# Altium PCB USB-SMB-ISO-CP2112-V-1.PcbDoc (continued)
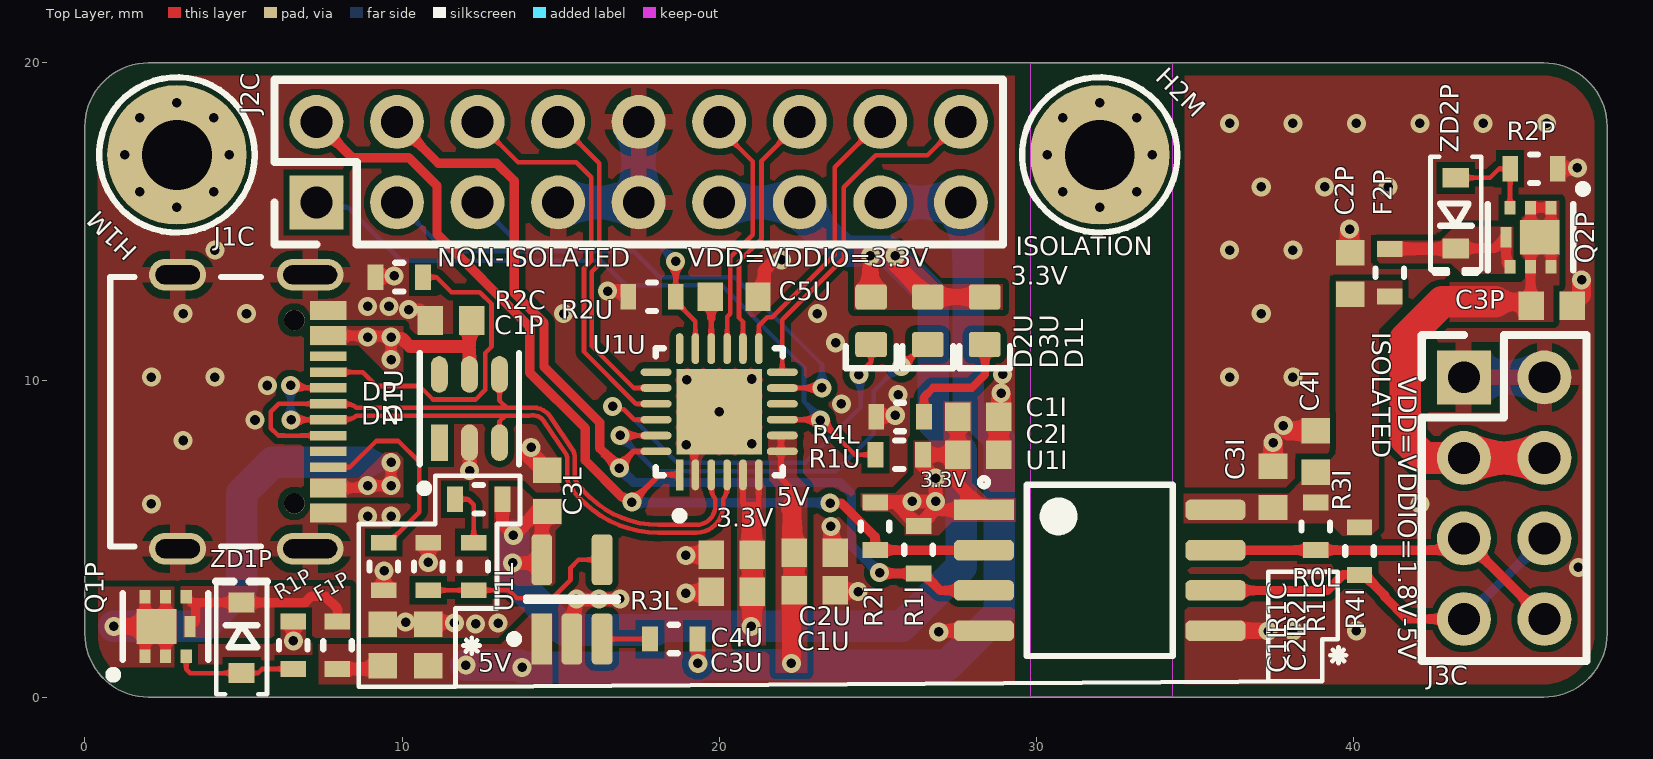
[diagram p0: Top Layer view]
## Part data (continued)
R4L: library part 2.49K, "Res Thick Film 0603 2.49K Ohm 1% 1/10W ±100ppm/°C Molded SMD SMD Paper T/R", Case Code (Imperial)=0603, Case Code (Metric)=1608, MANUFACTURER=Rohm, Max Operating Temperature=155°C, Max Power Dissipation=100mW, Min Operating Temperature=-55°C, Package Quantity=1, Supplier Part Number 1=53268691, Temperature Coefficient=100ppm/°C, Tolerance=1%, Voltage Rating (DC)=50V, Case/Package=0603, CATEGORY="Chip SMD Resistors", componentlink1description=https://datasheet.ciiva.com/2520/mcr-2520347.pdf?src-supplier=Digikey, componentlink1url=https://datasheet.ciiva.com/2520/mcr-2520347.pdf?src-supplier=Digikey, componentlink2description=https://datasheet.ciiva.com/2520/mcr-2520348.pdf?src-supplier=Digikey, componentlink2url=https://datasheet.ciiva.com/2520/mcr-2520348.pdf?src-supplier=Digikey, ComponentLink3Description=https://datasheet.ciiva.com/2520/mcr-2520349.pdf?src-supplier=Digikey, ComponentLink3URL=https://datasheet.ciiva.com/2520/mcr-2520349.pdf?src-supplier=Digikey, ComponentLink4Description=https://datasheet.ciiva.com/16203/mcr03ezpd-16203167.pdf?src-supplier=Future+Electronics, ComponentLink4URL=https://datasheet.ciiva.com/16203/mcr03ezpd-16203167.pdf?src-supplier=Future+Electronics, Contact Plating=Tin, Features="Automotive AEC-Q200", Height=0.022inch, Lead Free="Lead Free", Length=0.063inch, Manufacturer Part Number=MCR03EZPFX2491, Mounting Technology="Surface Mount", Number of Terminations=2, packaging="Cut Tape", Power Rating=100mW, Pricing 1="1=0.036, 10=0.031, 100=0.031, 1000=0.028 (USD)", RoHS=Yes, RoHS Compliant=Yes, SERIES=MCR03, Stock 1=683, Supplier 1="One Stop Electro", Width=0.031inch
U1I: "Ultra-Low Power, Bidirectional I2C Isolator with Extended VDD, Idle-Bus Hot-Swap and Low VOL", MANUFACTURER="Analog Devices", Supplier Part Number 1=584-ADUM1252AWA+, Manufacturer Part Number=ADUM1252AWA+, Pricing 1="1=4.29, 10=3.85, 50=3.85, 100=3.15, 1000=2.68, 10000=2.14 (USD)", RoHS=No, Stock 1=216, Supplier 1=Mouser
U1L: "LDO U-Reg Adj 0, 3A SOT23-5", MANUFACTURER="SG Micro", Supplier Part Number 1=SGM2019-ADJYN5GTR-112944978, CATEGORY=LDO, Manufacturer Part Number=SGM2019-ADJYN5G/TR, RoHS=No, Stock 1=6915, Supplier 1=Sourcengine
U1U: "IC HID USB-TO-SMBUS BRIDGE 24QFN", Ambient Temperature Range High=+85°C, Ambient Temperature Range Low=-40°C, MANUFACTURER="Silicon Labs", Max Junction Temp=+105°C, Max Supply Voltage=3.6V, Min Supply Voltage=1.8V, Nominal Supply Current=130-1500uA, Temperature="-40°C to +85°C", Automotive=No, CATEGORY=IC, componentlink2description=Datasheet, componentlink2url=https://www.silabs.com/documents/public/data-sheets/cp2112-datasheet.pdf, Device Class L1="Integrated Circuits (ICs)", Device Class L2="Interface ICs", Device Class L3=Controllers, Digikey Description="IC HID USB-TO-SMBUS BRIDGE 24QFN", Height=0.8mm, Interface=USB,SMBus, Ipc Land Pattern Name=QFN50P400X400X75-24, Lead Free=Yes, Manufacturer Part Number=CP2112-F03-GM, Mouser Description="Single-Chip HID USB to SMBus Master Bridge 24-Pin QFN", Octopart=https://octopart.com/cp2112-f03-gm-silicon+labs-81780828, Package=CP2112-F03-GM, RoHS=TRUE, Standoff Height=0mm, Temperature Range High=+85°C, Temperature Range Low=-40°C
ZD1P ZD2P: "MM3Z12VST1G Zener Diode, 12V 2% 200 mW SMT 2-Pin SOD-323", Case/Package=SOD-323-2, Forward Voltage=900mV, MANUFACTURER="ON Semiconductor", Max Operating Temperature=150°C, Max Power Dissipation=300mW, Max Reverse Current=100nA, Min Operating Temperature=-65°C, Package Quantity=3000, Power Dissipation=200mW, Test Current=5mA, Tolerance=2%, Voltage Rating (DC)=12V, Zener Current=10mA, CATEGORY="Zener Diodes", componentlink1description=https://datasheet.ciiva.com/30478/0900766b8127c8bd-30478408.pdf?src-supplier=Rs, componentlink1url=https://datasheet.ciiva.com/30478/0900766b8127c8bd-30478408.pdf?src-supplier=Rs, componentlink2description=https://datasheet.ciiva.com/16292/mm3z12vst1g-16292931.pdf?src-supplier=Future+Electronics, componentlink2url=https://datasheet.ciiva.com/16292/mm3z12vst1g-16292931.pdf?src-supplier=Future+Electronics, ComponentLink3Description=https://datasheet.ciiva.com/22626/1878251-22626885.pdf?src-supplier=Element14, ComponentLink3URL=https://datasheet.ciiva.com/22626/1878251-22626885.pdf?src-supplier=Element14, ComponentLink4Description=https://datasheet.ciiva.com/894/mm3z2v4st1-d-894650.pdf?src-supplier=Digikey, ComponentLink4URL=https://datasheet.ciiva.com/894/mm3z2v4st1-d-894650.pdf?src-supplier=Digikey, ComponentLink5Description=https://datasheet.ciiva.com/894/mm3z2v4st1-d-894651.pdf?src-supplier=Digikey, ComponentLink5URL=https://datasheet.ciiva.com/894/mm3z2v4st1-d-894651.pdf?src-supplier=Digikey, ComponentLink6Description=https://datasheet.ciiva.com/894/mm3z2v4st1-d-894649.pdf?src-supplier=Digikey, ComponentLink6URL=https://datasheet.ciiva.com/894/mm3z2v4st1-d-894649.pdf?src-supplier=Digikey, Height=1mm, Impedance=25R, Lead Free="Lead Free", Length=1.8mm, Manufacturer Part Number=MM3Z12VST1G, Material=Plastic, Max Reverse Leakage Current=100nA, packaging="Tape and Reel", Pins=2, Power Rating=200mW, Pricing 1="3000=0.0152, 6000=0.0145, 9000=0.0143, 27000=0.0137, 51000=0.0133, 102000=0.0128, 252000=0.0125, 501000=0.0123 (USD)", Radiation Hardening=No, Reach SVHC Compliant=No, RoHS=Yes, RoHS Compliant=Yes, SERIES=-, Stock 1=60000, Supplier 1=Onlinecomponents.com, Supplier Part Number 1=MM3Z12VST1G, Voltage Tolerance=2%, Width=1.35mm, Working Voltage=12V, Zener Voltage=12V

## Via types
v1: diameter 0.6, hole 0.3, Top Layer to Bottom Layer, tented both sides, 98 vias
v2: diameter 0.6, hole 0.3, Top Layer to Bottom Layer, tented bottom, 5 vias

## Nets (pads, with @x,y where several pads share a name; then routed paths per layer and width w, separated by ;. In a path a pad name is that pad's centre, name@x,y a point inside that pad or via, vN(x,y) a via of type N, cw(c..) or ccw(c..) an arc to the next point about the centre after c; other vN are vias at no path point)
+3VALW: C1I.1 C2I.1 C3L.1 C3U.1 C4U.1 D1L.2 D2U.2 D3U.2 J2C.11 J2C.13 R0L.1 R1I.1 R1U.1 R2I.1 U1I.1 U1L.5 U1U.5 U1U.6 | length 61.7
  Top Layer w0.18: U1U.5@20.75,7.049 20.75,6.123 21.021,5.852 21.25,6.082 U1U.6 U1U.6@21.25,7.049
  Top Layer w0.4: R0L.1 13.164,5.454 v1(13.513,5.105) 14.26,5.852 C3L.1 14.406,5.679 U1L.5 14.306,4.232 v1(13.486,4.232) ; R2I.1 25.552,6.135 R1I.1 26.796,5.905 U1I.1 27.519,6.736 C2I.1 ; R2I.1@24.955,6.172 v1(26.086,6.172) v1(26.822,6.172) v1(26.822,6.909) 26.429,7.302 R1U.1 C2I.1 ; C1I.1 C2I.1
  Top Layer w0.5: v1(24.765,13.919) 24.765,12.645 D2U.2 ; v1(25.552,13.919) 25.552,13.649 D3U.2 D1L.2
  Top Layer w0.6: v1(21.006,2.235) 21.037,2.267 21.037,3.17 21.046,3.179 C3U.1 C4U.1 21.021,4.521 21.021,5.852
  Bottom Layer w1: v1(13.486,4.232) 13.486,3.75 15.121,2.115 15.889,2.115 18.004,2.115 18.124,2.235 v1(21.006,2.235) 25.756,2.235 27.635,4.115 27.635,7.773 26.749,8.659 26.749,12.646 25.331,14.064 23.99,14.064 22.879,14.915 J2C.13@22.593,15.201 ; v1@13.513,4.259 v1(13.513,5.105) ; J2C.11 J2C.13
+5V_BUCK: C1L.1 C1U.1 C2L.1 C2U.1 F1P.2 J2C.15 J2C.17 R3L.1 U1L.1 U1U.7 U1U.8 | length 43.2
  Top Layer w0.18: U1U.8@21.951,8.25 21.951,6.903 22.25,6.604 22.25,5.944
  Top Layer w0.4: F1P.2 C1L.1@9.393,0.888 ; R3L.1@19.317,1.829 19.329,1.817 v1(19.329,1.067)
  Top Layer w0.6: 22.25,5.944 22.297,5.897 22.297,4.612 C2U.1 C1U.1 22.276,3.285 v1(22.276,1.067)
  Bottom Layer w1: v1(12.012,1.008) 13.721,1.008 v1(13.787,0.941) 19.284,0.941 19.365,1.022 22.231,1.022 v1(22.276,1.067) 22.345,0.998 27.175,0.998 28.829,2.651 28.829,8.138 27.851,9.116 27.851,15.265 27.62,15.496 J2C.17 J2C.15
+5V_VBUS: C1P.1 D1U.5 J1C.A4-B9 J1C.B4-A9 Q1P.1-2-5-6-7 | length 29
  Top Layer w0.3: Q1P.1-2-5-6-7@1.893,1.295 Q1P.1-2-5-6-7@1.893,2.23 ; Q1P.1-2-5-6-7@1.893,2.234 Q1P.1-2-5-6-7@1.893,3.165 ; Q1P.1-2-5-6-7@2.543,1.295 Q1P.1-2-5-6-7@2.543,3.165 ; J1C.B4-A9 8.846,6.6 v1(8.915,6.669) v1(9.652,6.669) v1(9.652,7.406) ; J1C.A4-B9 9.607,11.4 v1(9.652,11.355) v1(9.652,10.644) ; C1P.1@12.123,11.807 C1P.1
  Top Layer w0.4: v1(9.652,11.355) 9.69,11.317 9.988,11.317 10.25,11.055 12.123,11.055 ; D1U.5 12.123,11.005 12.123,11.055 ; C1P.1@12.123,11.807 12.123,11.055
  Top Layer w0.5: v1(0.913,2.234) 1.893,2.234 2.254,2.234 Q1P.1-2-5-6-7@2.258,2.23
  Bottom Layer w0.3: v1(8.915,6.669) v1(9.652,6.669) v1(9.652,7.406)
  Bottom Layer w0.5: 8.862,7.406 v1(9.652,7.406)
  Bottom Layer w1: v1(0.913,2.234) 3.742,2.234 4.944,3.435 4.944,6.427 5.923,7.406 8.862,7.406
  other v1: 8.915,11.355
+5V_VBUS#: F1P.1 Q1P.4-8 ZD1P.1 | length 6.4
  Top Layer w0.3: Q1P.4-8@3.193,3.165 3.373,2.984 ; Q1P.4-8@3.318,2.23 3.493,2.405 3.493,2.865 3.373,2.984 ; F1P.1 7.96,2.791 7.574,3.177 7.211,3.177 7.199,3.189 7.145,3.189 6.94,2.984 ZD1P.1 3.373,2.984
CC1: J1C.A5 R2C.1 | length 10.7
  Top Layer w0.146: J1C.A5 8.759,10.25 9.195,9.813 10.549,9.813 10.975,9.387 12.328,9.387 12.628,9.687 12.628,10.854 12.819,11.045 12.819,12.403 12.45,12.772 11.558,12.772 11.086,13.244 R2C.1
CC2: J1C.B5 R1C.1 | length 6.6
  Top Layer w0.146: J1C.B5 8.354,7.25 9.183,8.079 9.883,8.079 10.539,7.422 10.539,5.837 9.574,4.871 R1C.1
CP2102_USB_N: D1U.3 J1C.A7 J1C.B7 U1U.4 | length 20.5
  Top Layer w0.144: v1(6.483,9.83) 6.563,9.75 J1C.B7 ; v1(6.5,8.746) 6.502,8.748 7.676,8.748 J1C.A7 8.247,8.75 ccw(c8.247,9.183) 8.553,8.877 13.251,8.877 ; D1U.3 13.073,8.698 13.251,8.877 ; U1U.4@20.25,7.049 20.25,6.566 cw(c19.817,6.566) 20.123,6.26 20.123,6.025 cw(c19.288,6.025) 19.288,5.189 18.081,5.189 cw(c18.074,8.524) 15.776,6.107 ccw(c15.677,6.002) 15.773,6.11 15.739,6.14 cw(c17.379,7.999) 15.26,6.712 cw(c15.595,6.914) 15.204,6.912 15.204,7.565 ccw(c15.059,7.565) 15.18,7.645 14.48,8.695 ccw(c14.123,8.46) 14.085,8.885 14.012,8.879 cw(c13.976,9.268) 13.976,8.877 13.251,8.877
  Bottom Layer w0.144: v1(6.483,9.83) 6.483,8.764 v1(6.5,8.746)
CP2102_USB_P: D1U.4 J1C.A6 J1C.B6 U1U.3 | length 21
  Top Layer w0.144: J1C.B6 6.812,8.25 6.806,8.244 6.296,8.244 6.29,8.25 6.095,8.25 5.864,8.481 5.864,9.003 6.111,9.25 J1C.A6 8.247,9.25 cw(c8.247,8.817) 8.553,9.123 13.295,9.123 13.073,9.345 D1U.4@13.073,10.097 ; 13.353,9.123 13.976,9.123 ccw(c13.976,9.268) 13.989,9.124 14.06,9.131 cw(c14.123,8.46) 14.684,8.833 15.385,7.781 cw(c15.059,7.565) 15.45,7.565 15.45,6.913 ccw(c15.595,6.914) 15.471,6.84 ccw(c17.379,7.999) 15.902,6.324 15.936,6.295 cw(c15.677,6.002) 15.945,6.286 ccw(c18.074,8.524) 18.081,5.436 19.288,5.436 ccw(c19.288,6.025) 19.877,6.025 19.877,6.26 cw(c20.183,6.566) 19.75,6.566 U1U.3@19.75,7.049
EN: R3L.2 U1L.3 | length 1.5
  Top Layer w0.146: U1L.3 17.465,1.833 R3L.2
FB_1: R1L.2 R2L.1 U1L.4 | length 6.3
  Top Layer w0.146: R2L.1 11.759,3.371 R1L.2 13.368,3.371 13.616,3.122 14.734,3.122 15.312,3.7 15.312,4.082 15.563,4.333 U1L.4
FB_2: R0L.2 R1L.1 | length 1.9
  Top Layer w0.146: R0L.2 12.083,6.242 12.261,6.064 R1L.1
GATE_VBUS: Q1P.3 R1P.1 ZD1P.2 | length 3.9
  Top Layer w0.146: Q1P.3 3.193,0.883 3.317,0.759 ZD1P.2 5.455,0.759 5.584,0.888 R1P.1
GATE_VCC: Q2P.3 R2P.1 ZD2P.2 | length 3.1
  Top Layer w0.146: ZD2P.2 44.308,16.378 44.593,16.662 R2P.1 44.945,16.16 44.937,16.153 Q2P.3
GND: C1I.2 C1L.2 C1P.2 C1U.2 C2I.2 C2L.2 C2U.2 C3L.2 C3U.2 C4U.2 C5U.2 D1U.2 J1C.A1-B12 J1C.B1-A12 J1C.SH J2C.7 J2C.9 J2C.10 R1C.2 R1P.2 R2C.2 R2L.2 R2U.2 R4L.2 U1I.4 U1L.2 U1U.2 U1U.25 | length 26.2
  Top Layer w0.15: U1U.2@19.25,7.049 19.25,8.25 v2(20,9)
  Top Layer w0.4: v1(6.57,1.777) R1P.2@6.57,2.409 ; R2C.2 9.178,13.264 9.726,13.264 v1(9.746,13.284) ; R1C.2 9.424,3.972 v1(9.436,3.984) ; v1(10.115,2.369) 11.622,2.369 v1(11.649,2.342) ; v1(10.204,12.219) 10.552,12.219 C1P.2 ; v1@10.826,4.249 R2L.2 ; D1U.2 12.128,8.02 12.128,7.152 v1(12.133,7.147) ; U1L.2 15.456,1.932 15.456,3.035 15.494,3.073 16.231,3.073 16.234,3.07 16.255,3.092 16.86,3.092 v1@16.867,3.086 ; v1(16.485,12.802) 16.497,12.814 17.119,12.814 R2U.2@17.132,12.827 ; C5U.2@21.186,12.814 21.422,13.051 21.422,13.458 21.718,13.754 21.933,13.754 v1(21.971,13.792) ; R4L.2@24.955,8.827 24.992,8.865 25.527,8.865 v1(25.552,8.89) ; v1(26.924,2.057) 26.962,2.095 U1I.4
  Top Layer w0.5: v1(18.948,3.277) 18.968,3.296 19.721,3.296 C3U.2 ; v1(18.948,4.47) 18.968,4.49 19.503,4.49 19.596,4.583 19.659,4.583 C4U.2 ; v1(23.52,5.385) 23.54,5.366 23.54,4.669 C2U.2 ; C1U.2 23.687,3.347 24.365,3.347 v1(24.384,3.327)
  Top Layer w0.6: v1(14.072,7.874) 14.072,7.61 14.53,7.152 C3L.2 ; C2I.2 C1I.2 28.888,8.909 v1(28.888,9.591)
  Bottom Layer w1: J2C.7 J2C.9 J2C.10
  other v1: 12.319,2.311 13.03,2.337 15.494,3.099 16.205,3.099 16.867,3.099 10.825,4.248 8.915,5.705 9.652,5.705 2.094,6.094 3.094,8.094 5.362,8.74 23.851,9.246 25.644,9.538 5.754,9.828 2.094,10.094 4.094,10.094 28.941,10.178 23.673,11.176 3.094,12.094 5.094,12.094 15.094,12.094 23.094,12.094 8.915,12.319 9.587,12.322 4.094,14.094
  other v2: 18.969,7.967 21.026,7.992 18.974,10.008 21.031,10.033
GND-ISO: C2P.2 C3I.2 C3P.2 C4I.2 J3C.1 J3C.2 R2P.2 U1I.5 | length 8.4
  Top Layer w0.4: R2P.2 47.041,16.662 v1(47.066,16.688)
  Top Layer w0.5: U1I.5 37.3,2.095 v1(37.313,2.083)
  Top Layer w0.6: C3I.2 v1(37.465,8.026) ; v1(37.795,8.56) 37.958,8.397 C4I.2 ; v1(39.878,14.757) 39.878,14.036 C2P.2 ; C3P.2 46.903,12.394 47.193,12.684 v1(47.193,13.157)
  Bottom Layer w1: J3C.1 J3C.2
  other v1: 38.094,2.094 40.094,2.094 47.094,4.094 42.094,6.094 36.094,10.094 38.094,10.094 37.094,12.094 36.094,14.094 38.094,14.094 37.094,16.094 39.094,16.094 41.094,16.094 36.094,18.094 38.094,18.094 40.094,18.094 42.094,18.094 44.094,18.094 46.094,18.094
GPIO_0_TXT: D3U.1 U1U.23 | length 13.8
  Top Layer w0.146: v1(16.875,8.254) 16.879,8.25 U1U.23 U1U.23@18.049,8.25 ; v1(25.752,10.429) 25.79,10.429 26.481,11.12 D3U.1
  Bottom Layer w0.146: v1(16.875,8.254) 18.009,7.12 23.68,7.12 24.871,8.311 24.871,9.652 25.648,10.429 v1(25.752,10.429)
GPIO_1_RXT: D2U.1 U1U.22 | length 13
  Top Layer w0.146: v1(16.637,9.169) 16.724,9.082 16.991,9.082 17.323,8.75 U1U.22 ; v1(24.403,10.171) 24.79,10.559 D2U.1
  Bottom Layer w0.146: v1(16.637,9.169) 16.724,9.082 16.987,9.082 18.675,7.394 22.706,7.394 24.463,9.151 24.463,10.111 v1(24.403,10.171)
GPIO_2: J2C.6 U1U.21 | length 12.9
  Top Layer w0.146: J2C.6 13.654,16.866 15.493,16.866 15.97,16.389 15.97,13.754 15.737,13.521 15.737,10.887 17.374,9.25 U1U.21 U1U.21@18.049,9.25
GPIO_3: J2C.8 U1U.20 | length 10.3
  Top Layer w0.146: J2C.8 16.218,16.842 16.218,13.651 15.985,13.418 15.985,11.074 17.309,9.75 U1U.20@18.049,9.75
GPIO_4: J2C.12 U1U.15 | length 8
  Top Layer w0.146: J2C.12 20,17.948 21.057,16.891 21.057,14.58 20.345,13.868 20.345,12.09 20.25,11.995 U1U.15 U1U.15@20.25,10.951
GPIO_5: J2C.14 U1U.14 | length 8
  Top Layer w0.146: U1U.14@20.75,10.951 20.75,11.843 20.625,11.969 20.625,13.741 21.336,14.453 21.336,16.916 22.54,18.12 J2C.14
GPIO_6: J2C.16 U1U.13 | length 8.8
  Top Layer w0.146: U1U.13 21.25,11.708 21.521,11.979 21.676,11.979 23.647,13.951 23.647,16.713 25.074,18.14 J2C.16
GPIO_7_CLK: J2C.18 U1U.12 | length 11.2
  Top Layer w0.146: U1U.12 21.989,11.906 23.927,13.843 23.927,16.078 24.939,17.09 26.57,17.09 J2C.18
Power_LED: D1L.1 R4L.1 | length 3.8
  Top Layer w0.254: R4L.1 26.455,9.463 26.749,9.757 27.969,9.757 28.387,10.175 28.387,11.105 D1L.1
RST#: J2C.1 R1U.2 U1U.9 | length 22.8
  Top Layer w0.146: U1U.9@21.951,8.75 U1U.9 23.178,8.75 v1(23.19,8.738) 24.282,7.645 R1U.2
  Bottom Layer w0.146: J2C.1 7.446,15.454 8.283,15.454 9.97,13.767 16.277,13.767 17.05,12.994 20.077,12.994 22.676,10.395 22.676,9.319 23.19,8.805 v1(23.19,8.738)
SCL: J2C.4 R1I.2 U1I.3 U1U.24 | length 30.4
  Top Layer w0.18: v1(16.856,7.219) 16.856,7.227 16.856,7.305 17.3,7.75 U1U.24 U1U.24@18.049,7.75
  Top Layer w0.295: J2C.4 11.14,16.84 12.979,16.84 13.538,16.281 13.538,12.747 14.476,11.809 14.476,10.416 16.231,8.661 16.231,7.852 v1@16.856,7.227 ; v1(25.062,3.924) 25.089,3.898 R1I.2 26.439,3.898 26.972,3.365 U1I.3
  Bottom Layer w0.295: v1(16.856,7.219) 17.307,6.768 23.814,6.768 24.171,6.41 24.171,4.785 25.032,3.924 v1(25.062,3.924)
SCL_ISO: J3C.6 J3C.7 R4I.2 U1I.6 | length 12.2
  Top Layer w0.295: U1I.6 39.173,3.365 39.664,3.856 R4I.2 40.342,3.856 40.988,3.21 40.988,3.167 41.691,2.464 J3C.7
  Bottom Layer w0.295: J3C.7 J3C.6
SDA: J2C.2 R2I.2 U1I.2 U1U.1 | length 31.3
  Top Layer w0.18: v1(17.247,6.147) 18.11,7.01 U1U.1
  Top Layer w0.295: J2C.2 8.425,17.015 10.213,17.015 11.1,16.129 11.1,14.605 14.021,11.684 14.021,10.236 15.773,8.484 15.773,7.468 16.942,6.299 17.012,6.299 17.164,6.147 v1(17.247,6.147) ; v1@23.655,6.063 23.553,6.063 v1(23.495,6.121) 23.851,6.121 24.917,5.055 R2I.2 27.298,4.635 U1I.2
  Bottom Layer w0.295: v1(17.247,6.147) 17.259,6.134 23.482,6.134 v1(23.495,6.121)
SDA_ISO: J3C.5 J3C.8 R3I.2 U1I.7 | length 11.6
  Top Layer w0.295: U1I.7 36.702,4.635 R3I.2 43.116,4.635 J3C.5 J3C.8
SUSPEND: J2C.3 U1U.11 | length 17.5
  Top Layer w0.146: U1U.11@21.951,9.75 23.237,9.75 v1(23.241,9.754)
  Bottom Layer w0.146: J2C.3 11.376,14.063 17.301,14.063 18.123,13.242 20.49,13.242 23.241,10.49 v1(23.241,9.754)
SUSPEND#: J2C.5 R2U.1 U1U.17 | length 10
  Top Layer w0.146: v1(18.628,13.741) 18.632,13.738 R2U.1 18.632,12.477 19.25,11.859 U1U.17
  Bottom Layer w0.146: J2C.5 13.669,14.311 18.058,14.311 v1(18.628,13.741)
VCC: C3P.1 J3C.3 J3C.4 Q2P.1-2-5-6-7 | length 19.5
  Top Layer w0.3: 44.171,12.776 44.475,12.471 44.602,12.344 C3P.1 45.587,12.36 45.587,12.471 45.587,13.568 45.587,15.438 46.237,15.438 Q2P.1-2-5-6-7@46.237,13.568
  Top Layer w0.5: 44.475,12.471 C3P.1@45.587,12.471
  Top Layer w1: 44.475,12.471 42.799,12.471 41.631,11.303 41.631,8.153 42.24,7.544 J3C.3 J3C.4
VCC#: F2P.1 Q2P.4-8 ZD2P.1 | length 4.8
  Top Layer w0.3: ZD2P.1 44.462,14.153 44.812,14.503 44.812,13.693 Q2P.4-8@44.937,13.568
  Top Layer w0.4: F2P.1 ZD2P.1@43.214,14.136
VDD: C2P.1 C3I.1 C4I.1 F2P.2 R3I.1 R4I.1 U1I.8
VPP/NC: C5U.1 U1U.16 | length 1.9
  Top Layer w0.18: U1U.16@19.75,10.951 U1U.16 19.75,11.934
  Top Layer w0.254: 19.751,11.935 19.751,12.781 C5U.1@19.822,12.852
pads on no net: D1U.1 D1U.6 H1M.1 H2M.1 J1C.A8 J1C.B8 J1C.MH U1U.10 U1U.18 U1U.19

## Polygon pours and split planes (outlines as drawn)
VDD on Top Layer "TOP_VDD" (solid, pour order 150): 40.557,5.097 40.557,5.099 40.792,5.334 40.792,11.579 41.548,12.334 41.548,13.136 39.446,13.136 39.446,7.671 39.268,7.493 38.36,7.493 38.36,6.822 37.957,6.42 34.653,6.42 34.653,5.486 39.254,5.486 39.643,5.097
VCC# on Top Layer "TOP_VCC#" (solid, pour order 148): 40.748,13.691 43.076,13.691 43.413,13.353 45.112,13.353 45.112,14.833 43.184,14.833 42.736,14.386 40.748,14.386
VCC on Top Layer "TOP_VCC" (solid, pour order 147): 45.412,13.783 45.247,13.948 45.247,15.053 45.412,15.218 45.412,15.223 45.412,15.653 46.497,15.653 46.497,11.84 43.036,11.84 43.036,13.083 45.288,13.083 45.412,13.206
GND on Top Layer "TOP_GND" (solid, pour order 153): -0.001,2 -0.001,18 cw(c1.999,18) 1.999,20 29.327,20 29.327,0 1.999,0 cw(c1.999,2)
GND-ISO on Top Layer "TOP_GND-ISO" (solid, pour order 152): 34.682,0 34.682,20 45.999,20 cw(c45.999,18) 47.999,18 47.999,2 cw(c45.999,2) 45.999,0
+3VALW on Top Layer "TOP_+3VALW_3" (solid, pour order 137): 27.357,5.537 26.926,5.106 25.852,5.106 25.852,5.35 25.358,5.844 24.467,5.844 24.467,6.428 25.554,6.428 26.138,7.011 26.138,8.092 27.079,8.092 27.079,9.332 27.959,9.332 27.959,6.77 28.462,6.267 29.35,6.267 29.35,5.537
+3VALW on Top Layer "TOP_+3VALW_4" (solid, pour order 146): 24.255,13.025 24.255,14.27 25.679,14.27 26.924,13.025 28.948,13.025 28.948,12.22 24.255,12.22
+3VALW on Top Layer "TOP_+3VALW_2" (solid, pour order 136): 20.573,7.493 20.573,5.309 20.573,1.642 21.469,1.642 21.469,7.493
+5V_BUCK on Top Layer "TOP_+5V_BUCK_2" (solid, pour order 133): 22.441,8.379 22.441,6.987 22.775,6.654 22.775,0.762 21.788,0.762 21.788,6.611 21.513,6.886 21.513,8.379
+3VALW on Top Layer "TOP_+3VALW_1" (solid, pour order 135): 12.914,5.557 12.914,3.517 14.825,3.517 14.825,5.08 14.825,5.248 15.03,5.452 15.03,6.252 14.148,6.252 13.758,6.642 12.914,6.642
+5V_BUCK on Top Layer "TOP_+5V_BUCK_1" (solid, pour order 132): 13.117,1.668 14.081,2.633 14.731,2.633 14.74,2.623 14.74,0 7.37,0 7.37,1.668
+5V_VBUS# on Top Layer "TOP_+5V_VBUS#" (solid, pour order 131): 8.36,3.497 8.36,2.7 8.36,1.868 3.011,1.868 3.011,3.497
+5V_VBUS on Top Layer "TOP_+5V_VBUS_3" (solid, pour order 130): 2.893,0.951 2.893,3.478 0.412,3.478 0.412,0.951
+5V_VBUS on Top Layer "TOP_+5V_VBUS_1" (solid, pour order 111): 8.625,6.9 9.449,7.724 10.033,7.724 10.033,6.3 7.103,6.3 7.103,6.9
+5V_VBUS on Top Layer "TOP_+5V_VBUS_2" (solid, pour order 117): 8.611,11.1 9.472,10.239 10.033,10.239 10.033,11.7 7.103,11.7 7.103,11.1
+3VALW on Bottom Layer "BOT_+3VALW_2" (solid, pour order 144): 25.662,6.566 26.386,7.29 28.131,7.29 28.131,5.694 25.662,5.694
+3VALW on Bottom Layer "BOT_+3VALW_1" (solid, pour order 143): 12.949,3.607 12.949,5.612 14.122,5.612 14.122,3.607
GND-ISO on Bottom Layer "BOT_GND_ISO" (solid, pour order 149): 34.682,0 34.682,20 45.999,20 cw(c45.999,18) 47.999,18 47.999,2 cw(c45.999,2) 45.999,0
GND on Bottom Layer "BOT_GND" (solid, pour order 151): -0.001,2 -0.001,18 cw(c1.999,18) 1.999,20 29.327,20 29.327,0 1.999,0 cw(c1.999,2)
+5V_VBUS on Bottom Layer "BOT_+5V_VBUS" (solid, pour order 112): 8.611,11.712 10.033,11.712 10.033,6.302 8.611,6.302 8.611,10.327

## Keep-outs
Keep-Out Layer:
  region: 29.83,20 34.291,20 34.291,0 29.83,0

## Silkscreen, mask and mechanical layers (free items; w line width, h text height)
Top Overlay:
  lines w0.15: 11.941,1.626 12.441,1.626 ; 12.012,1.443 12.365,1.797 ; 12.022,1.8 12.376,1.446 ; 12.2,1.37 12.2,1.87 ; 38.862,0.5 11.684,0.326 ; 39.266,1.321 39.766,1.321 ; 39.338,1.139 39.691,1.492 ; 39.348,1.495 39.702,1.142 ; 39.526,1.066 39.526,1.566 ; 11.684,0.326 11.684,2.794 12.995,2.794 12.995,5.461 13.716,5.461 13.716,6.985 11.049,6.985 11.049,5.461 8.636,5.461 8.636,0.326 11.684,0.326 ; 37.313,0.504 37.313,3.955 39.506,3.955 39.506,1.825 39.014,1.825 39.015,0.509 37.313,0.504
  text "ISOLATION" at 29.351,13.723 h1
  text "NON-ISOLATED" at 11.105,13.371 h1
  text "VDD=VDDIO=3.3V" at 19.014,13.371 h1
  text "3.3V" at 29.197,12.799 h1
  text "ISOLATED" at 40.385,11.499 h1 r270
  text "VDD=VDDIO=1.8V-5V" at 41.209,10.104 h1 r270
  text "DP" at 8.722,9.144 h1
  text "DN" at 8.708,8.385 h1
  text "3.3V" at 26.34,6.46 h0.8
  text "5V" at 21.819,5.828 h1
  text "3.3V" at 19.914,5.167 h1
  text "5V" at 12.395,0.595 h1
Bottom Overlay:
  region: 47.451,11.455 47.451,1.043 42,1.043 42,11.455 hole: 47.048,11.168 44.952,11.168 44.952,9.072 44.977,9.072 44.977,9.036 47.073,9.036 47.073,11.132 47.048,11.132 hole: 44.508,11.168 42.412,11.168 42.412,9.072 42.437,9.072 42.437,9.036 44.533,9.036 44.533,11.132 44.508,11.132 hole: 47.048,8.628 44.952,8.628 44.952,6.532 44.977,6.532 44.977,6.496 47.073,6.496 47.073,8.592 47.048,8.592 hole: 44.508,8.628 42.412,8.628 42.412,6.532 42.437,6.532 42.437,6.496 44.533,6.496 44.533,8.592 44.508,8.592 hole: 47.048,6.088 44.952,6.088 44.952,3.992 44.977,3.992 44.977,3.956 47.073,3.956 47.073,6.052 47.048,6.052 hole: 44.508,6.088 42.412,6.088 42.412,3.992 42.437,3.992 42.437,3.956 44.533,3.956 44.533,6.052 44.508,6.052 hole: 47.048,3.548 44.952,3.548 44.952,1.452 44.977,1.452 44.977,1.416 47.073,1.416 47.073,3.512 47.048,3.512 hole: 44.508,3.548 42.412,3.548 42.412,1.452 42.437,1.452 42.437,1.416 44.533,1.416 44.533,3.512 44.508,3.512
  region: 29.083,14.148 5.842,14.148 5.842,19.609 29.083,19.609 hole: 28.668,19.188 26.572,19.188 26.572,17.092 28.668,17.092 hole: 26.128,19.188 24.032,19.188 24.032,17.092 26.128,17.092 hole: 23.588,19.188 21.492,19.188 21.492,17.092 23.588,17.092 hole: 21.048,19.188 18.952,19.188 18.952,17.092 21.048,17.092 hole: 18.508,19.188 16.412,19.188 16.412,17.092 18.508,17.092 hole: 15.968,19.188 13.872,19.188 13.872,17.092 15.968,17.092 hole: 13.428,19.188 11.332,19.188 11.332,17.092 13.428,17.092 hole: 10.888,19.188 8.792,19.188 8.792,17.092 10.888,17.092 hole: 8.348,19.188 6.252,19.188 6.252,17.092 8.348,17.092 hole: 28.668,16.648 26.572,16.648 26.572,14.552 28.668,14.552 hole: 26.128,16.648 24.032,16.648 24.032,14.552 26.128,14.552 hole: 23.588,16.648 21.492,16.648 21.492,14.552 23.588,14.552 hole: 21.048,16.648 18.952,16.648 18.952,14.552 21.048,14.552 hole: 18.508,16.648 16.412,16.648 16.412,14.552 18.508,14.552 hole: 15.968,16.648 13.872,16.648 13.872,14.552 15.968,14.552 hole: 13.428,16.648 11.332,16.648 11.332,14.552 13.428,14.552 hole: 10.888,16.648 8.792,16.648 8.792,14.552 10.888,14.552 hole: 8.348,16.648 6.252,16.648 6.252,14.552 8.348,14.552
  lines w0.15: 17.043,5.893 17.043,11.913
  text "ISOLATION" at 34.671,13.702 h1
  text "SCL" at 10.795,13.259 h1
  text "IO2" at 13.157,13.259 h1
  text "GND" at 18.39,13.259 h1
  text "IO5" at 23.851,13.259 h1
  text "IO6" at 26.238,13.259 h1
  text "IO7" at 29.007,13.259 h1
  text "IO3" at 16.205,13.233 h1
  text "IO4" at 21.184,13.233 h1
  text "3.3V" at 21.158,12.353 h1
  text "3.3V" at 23.825,12.353 h1
  text "5V" at 26.238,12.355 h1
  text "5V" at 28.524,12.355 h1
  text "GND" at 16.18,12.294 h1
  text "GND" at 18.398,12.284 h1
  text "SUS" at 10.77,12.268 h1
  text "SUS#" at 13.462,12.259 h1
  text "U1U=CP2112-F03-GM" at 29.275,11.187 h1
  text "C3P = 1uF" at 16.764,11.136 h1
  text "SDA" at 8.23,10.693 h1
  text "C5U = 4.7uF" at 16.8,10.353 h1
  text "U1I=ADUM1252AWA+" at 29.275,10.362 h1
  text "GND" at 38.937,9.856 h1
  text "GND" at 41.729,9.856 h1
  text "RST#" at 8.23,9.779 h1
  text "C3L, C1L = 10uF" at 16.8,9.489 h1
  text "U1L=SGM2019-ADJYN5G/TR" at 29.275,9.489 h1
  text "Q1P, Q2P=PMPB14XPZ" at 29.275,8.655 h1
  text "C2I, C3I = 1nF" at 16.828,8.595 h1
  text "ZD1P, ZD2P=MM3Z12VST1G" at 29.275,7.772 h1
  text "VDD" at 38.937,7.289 h1
  text "VDD" at 41.729,7.289 h1
  text "D1U=SRV05-4" at 29.286,6.869 h1
  text "2 Layers / 0.6MM / Copper 1oz / Impedance / Single 50Ω / Single 60Ω / Diff 90Ω" at 34.442,6.756 h1
  text "Register, 1%, 0603 / Capacitor, 10%, 0603" at 16.802,6.121 h1
  text "F1P, F2P = 250mA,100mA" at 29.246,5.905 h1
  text "R0L = 1.69KΩ" at 13.945,5.015 h1
  text "R2L = 20KΩ" at 19.454,4.957 h1
  text "R1U, R2U, R3L = 10KΩ" at 29.275,4.857 h1
  text "SDA" at 38.937,4.721 h1
  text "SCL" at 41.729,4.721 h1
  text "R1P, R2P = 100KΩ" at 18.415,3.962 h1
  text "R1I, R2I, R3I, R4I = 2.2KΩ" at 29.3,3.968 h1
  text "R4L = 2.49KΩ" at 21.311,3.008 h1
  text "R1C, R2C = 5.1KΩ" at 29.275,2.997 h1
  text "R1L = 33KΩ" at 15.356,2.948 h1
  text "USB TO I2C  / AND  / SMB ISOLATED" at 34.36,2.15 h1
  text "SCL" at 38.937,2.139 h1
  text "SDA" at 41.729,2.139 h1
  text "C1I, C3U, C4I, C4U,C1P, C1U, C2L, C2U, C3P = 100nF" at 29.286,2.057 h1
  text "Alcatraz" at 4.222,1.006 h1
  text "ISOLATED PORTS" at 41.834,0.533 h1
  text "NON-ISOLATED PORTS" at 21.234,0.508 h1
  text "SCH-Ver-1 & PCB-Ver-1" at 32.045,0.506 h1
Board Shape:
  the board outline again, w0.16

## Text inside footprints (layer, text, board x,y; h text height)
D1L: Mechanical 13 "+" at 27.763,13.187 h1 r90
D2U: Mechanical 13 "+" at 24.182,13.187 h1 r90
D3U: Mechanical 13 "+" at 25.973,13.187 h1 r90